# Allegro board S071AA-0413-20260427_Power.brd (continued)
## Routing (per net, layer and track width the routed paths; a pad name or vN(x,y) marks a point on that pad's centre or on a via; arc(x,y) is an arc through that point) (continued)
; 192.5,335.28 D113.A5 ; D113.A5 193.31,334.47 ; D113.A5 194.12,335.28 ; D113.A5 193.31,336.09 ; 261.89,370.03 D111.B7 ; D111.B7 261.89,371.65 ; D111.B7 262.7,370.84 ; D111.B7 261.08,370.84 ; 89.17,385.27 D427.A17 ; D427.A17 89.98,386.08 ; D427.A17 89.17,386.89 ; D427.A17 88.36,386.08 ; 121.38,383.54 D427.A4 ; D427.A4 123,383.54 ; D427.A4 122.19,382.73 ; D427.A4 122.19,384.35 ; 55.34,370.84 D231.B1 ; D231.B1 56.15,371.65 ; D231.B1 56.15,370.03 ; D231.B1 56.96,370.84 ; 114.57,52.53 D123.A11 ; D123.A11 114.57,54.15 ; D123.A11 113.76,53.34 ; D123.A11 115.38,53.34 ; D232.A2 54.42,393.7 ; D232.A2 53.61,394.51 ; D232.A2 52.8,393.7 ; D232.A2 53.61,392.89 ; 43.45,34.75 D120.A12 ; D120.A12 42.64,35.56 ; D120.A12 43.45,36.37 ; D120.A12 44.26,35.56 ; D117.A4 23.94,96.52 ; D117.A4 23.13,95.71 ; D117.A4 22.32,96.52 ; D117.A4 23.13,97.33 ; D106.B9 256.81,79.55 ; D106.B9 256.81,77.93 ; D106.B9 256,78.74 ; D106.B9 257.62,78.74 ; D228.A6 117.11,394.51 ; D228.A6 117.11,392.89 ; D228.A6 116.3,393.7 ; D228.A6 117.92,393.7 ; 195.85,60.15 D103.B14 ; D103.B14 196.66,60.96 ; D103.B14 195.04,60.96 ; D103.B14 195.85,61.77 ; D432.B8 39.18,398.78 ; D432.B8 37.56,398.78 ; D432.B8 38.37,397.97 ; D432.B8 38.37,399.59 ; D232.A15 20.59,397.05 ; D232.A15 20.59,395.43 ; D232.A15 21.4,396.24 ; D232.A15 19.78,396.24 ; D110.A3 272.05,356.41 ; D110.A3 272.05,354.79 ; D110.A3 271.24,355.6 ; D110.A3 272.86,355.6 ; D104.B4 171.26,40.64 ; D104.B4 170.45,39.83 ; D104.B4 170.45,41.45 ; D104.B4 169.64,40.64 ; 177.26,396.24 D116.A11 ; D116.A11 178.88,396.24 ; D116.A11 178.07,397.05 ; D116.A11 178.07,395.43 ; 258.54,327.66 D109.B8 ; D109.B8 259.35,328.47 ; D109.B8 260.16,327.66 ; D109.B8 259.35,326.85 ; 29.94,370.84 D231.B11 ; D231.B11 30.75,370.03 ; D231.B11 30.75,371.65 ; D231.B11 31.56,370.84 ; D120.B4 23.94,40.64 ; D120.B4 23.13,39.83 ; D120.B4 22.32,40.64 ; D120.B4 23.13,41.45 ; D109.A14 244.11,333.55 ; D109.A14 244.11,331.93 ; D109.A14 244.92,332.74 ; D109.A14 243.3,332.74 ; CSDPS425.C13 100.14,340.36 ; CSDPS425.C13 99.33,339.55 ; CSDPS425.C13 99.33,341.17 ; CSDPS425.C13 98.52,340.36 ; 113.76,330.2 CSDPS225.C7 ; CSDPS225.C7 114.57,329.39 ; CSDPS225.C7 115.38,330.2 ; CSDPS225.C7 114.57,331.01 ; D101.B15 199.2,99.06 ; D101.B15 198.39,98.25 ; D101.B15 197.58,99.06 ; D101.B15 198.39,99.87 ; 53.61,387.81 D232.B2 ; D232.B2 52.8,388.62 ; D232.B2 54.42,388.62 ; D232.B2 53.61,389.43 ; 202.66,375.92 D115.A1 ; D115.A1 204.28,375.92 ; D115.A1 203.47,376.73 ; D115.A1 203.47,375.11 ; D122.B3 94.25,79.55 ; D122.B3 95.06,78.74 ; D122.B3 93.44,78.74 ; D122.B3 94.25,77.93 ; 32.48,393.7 D232.A10 ; D232.A10 33.29,392.89 ; D232.A10 34.1,393.7 ; D232.A10 33.29,394.51 ; D108.B2 239.03,41.45 ; D108.B2 239.84,40.64 ; D108.B2 239.03,39.83 ; D108.B2 238.22,40.64 ; D115.B14 170.45,369.11 ; D115.B14 170.45,367.49 ; D115.B14 169.64,368.3 ; D115.B14 171.26,368.3 ; D101.A10 185.69,97.33 ; D101.A10 184.88,96.52 ; D101.A10 185.69,95.71 ; D101.A10 186.5,96.52 ; 183.15,370.03 D115.B9 ; D115.B9 182.34,370.84 ; D115.B9 183.96,370.84 ; D115.B9 183.15,371.65 ; 90.9,373.38 D227.A16 ; D227.A16 91.71,374.19 ; D227.A16 91.71,372.57 ; D227.A16 92.52,373.38 ; D104.A15 199.2,33.02 ; D104.A15 198.39,33.83 ; D104.A15 197.58,33.02 ; D104.A15 198.39,32.21 ; CSDPS429.C13 26.48,340.36 ; CSDPS429.C13 25.67,339.55 ; CSDPS429.C13 24.86,340.36 ; CSDPS429.C13 25.67,341.17 ; D112.A12 249.19,394.51 ; D112.A12 248.38,393.7 ; D112.A12 249.19,392.89 ; D112.A12 250,393.7 ; 174.72,76.2 D102.A6 ; D102.A6 175.53,77.01 ; D102.A6 175.53,75.39 ; D102.A6 176.34,76.2 ; D117.A10 38.37,97.33 ; D117.A10 37.56,96.52 ; D117.A10 38.37,95.71 ; D117.A10 39.18,96.52 ; 114.57,18.24 DPS3.C11 ; DPS3.C11 113.76,19.05 ; DPS3.C11 115.38,19.05 ; DPS3.C11 114.57,19.86 ; 106.14,60.96 D123.B8 ; D123.B8 106.95,61.77 ; D123.B8 106.95,60.15 ; D123.B8 107.76,60.96 ; D119.B8 34.1,60.96 ; D119.B8 32.48,60.96 ; D119.B8 33.29,60.15 ; D119.B8 33.29,61.77 ; 43.45,95.71 D117.A12 ; D117.A12 43.45,97.33 ; D117.A12 44.26,96.52 ; D117.A12 42.64,96.52 ; D102.A8 181.42,76.2 ; D102.A8 180.61,77.01 ; D102.A8 179.8,76.2 ; D102.A8 180.61,75.39 ; D109.B3 272.86,330.2 ; D109.B3 271.24,330.2 ; D109.B3 272.05,331.01 ; D109.B3 272.05,329.39 ; 185.69,392.89 D116.A8 ; D116.A8 186.5,393.7 ; D116.A8 184.88,393.7 ; D116.A8 185.69,394.51 ; D108.A1 237.3,33.02 ; D108.A1 235.68,33.02 ; D108.A1 236.49,33.83 ; D108.A1 236.49,32.21 ; 38.37,377.65 D431.B8 ; D431.B8 39.18,378.46 ; D431.B8 37.56,378.46 ; D431.B8 38.37,379.27 ; 101.87,382.73 D427.A12 ; D427.A12 102.68,383.54 ; D427.A12 101.06,383.54 ; D427.A12 101.87,384.35 ; D232.B10 33.29,389.43 ; D232.B10 32.48,388.62 ; D232.B10 34.1,388.62 ; D232.B10 33.29,387.81 ; 48.53,95.71 D117.A14 ; D117.A14 49.34,96.52 ; D117.A14 48.53,97.33 ; D117.A14 47.72,96.52 ; D124.A2 91.71,36.37 ; D124.A2 92.52,35.56 ; D124.A2 90.9,35.56 ; D124.A2 91.71,34.75 ; D431.B9 36.64,381 ; D431.B9 35.83,381.81 ; D431.B9 35.02,381 ; D431.B9 35.83,380.19 ; 117.11,95.71 D121.A12 ; D121.A12 116.3,96.52 ; D121.A12 117.11,97.33 ; D121.A12 117.92,96.52 ; 30.75,390.35 D232.B11 ; D232.B11 29.94,391.16 ; D232.B11 31.56,391.16 ; D232.B11 30.75,391.97 ; D107.A12 264.43,56.69 ; D107.A12 265.24,55.88 ; D107.A12 263.62,55.88 ; D107.A12 264.43,55.07 ; 56.15,414.48 DPS8.A01 ; DPS8.A01 56.96,415.29 ; DPS8.A01 56.15,416.1 ; DPS8.A01 55.34,415.29 ; CSDPS429.B6 43.45,343.71 ; CSDPS429.B6 43.45,342.09 ; CSDPS429.B6 44.26,342.9 ; CSDPS429.B6 42.64,342.9 ; D101.B9 183.15,99.87 ; D101.B9 183.96,99.06 ; D101.B9 183.15,98.25 ; D101.B9 182.34,99.06 ; 14.7,370.84 D231.B17 ; D231.B17 15.51,370.03 ; D231.B17 15.51,371.65 ; D231.B17 16.32,370.84 ; CSDPS429.C9 35.83,341.17 ; CSDPS429.C9 35.02,340.36 ; CSDPS429.C9 36.64,340.36 ; CSDPS429.C9 35.83,339.55 ; D120.A14 48.53,36.37 ; D120.A14 49.34,35.56 ; D120.A14 48.53,34.75 ; D120.A14 47.72,35.56 ; D117.B8 34.1,101.6 ; D117.B8 33.29,102.41 ; D117.B8 32.48,101.6 ; D117.B8 33.29,100.79 ; 266.16,99.06 D105.B13 ; D105.B13 266.97,99.87 ; D105.B13 266.97,98.25 ; D105.B13 267.78,99.06 ; 91.71,60.15 D123.B2 ; D123.B2 91.71,61.77 ; D123.B2 92.52,60.96 ; D123.B2 90.9,60.96 ; 253.46,96.52 D105.A8 ; D105.A8 254.27,95.71 ; D105.A8 254.27,97.33 ; D105.A8 255.08,96.52 ; D231.B9 35.83,371.65 ; D231.B9 36.64,370.84 ; D231.B9 35.83,370.03 ; D231.B9 35.02,370.84 ; 29.94,340.36 CSDPS429.C11 ; CSDPS429.C11 30.75,341.17 ; CSDPS429.C11 30.75,339.55 ; CSDPS429.C11 31.56,340.36 ; 264.43,331.93 D109.A6 ; D109.A6 265.24,332.74 ; D109.A6 263.62,332.74 ; D109.A6 264.43,333.55 ; D112.B15 241.57,391.97 ; D112.B15 240.76,391.16 ; D112.B15 242.38,391.16 ; D112.B15 241.57,390.35 ; 93.44,360.68 CSDPS426.C15 ; CSDPS426.C15 94.25,359.87 ; CSDPS426.C15 94.25,361.49 ; CSDPS426.C15 95.06,360.68 ; D227.B5 119.65,371.65 ; D227.B5 118.84,370.84 ; D227.B5 119.65,370.03 ; D227.B5 120.46,370.84 ; 263.62,76.2 D106.A12 ; D106.A12 264.43,75.39 ; D106.A12 265.24,76.2 ; D106.A12 264.43,77.01 ; UHC230.G4_13 15.39,348.29 ; UHC230.G4_13 13.77,348.29 ; UHC230.G4_13 14.58,347.48 ; UHC230.G4_13 14.58,349.1 ; 172.18,335.28 D113.A13 ; D113.A13 172.99,336.09 ; D113.A13 172.99,334.47 ; D113.A13 173.8,335.28 ; D110.A1 277.94,355.6 ; D110.A1 277.13,356.41 ; D110.A1 277.13,354.79 ; D110.A1 276.32,355.6 ; D106.B3 241.57,79.55 ; D106.B3 240.76,78.74 ; D106.B3 242.38,78.74 ; D106.B3 241.57,77.93 ; 18.05,331.93 CSDPS229.B16 ; CSDPS229.B16 18.05,333.55 ; CSDPS229.B16 17.24,332.74 ; CSDPS229.B16 18.86,332.74 ; D103.B13 194.12,58.42 ; D103.B13 193.31,57.61 ; D103.B13 193.31,59.23 ; D103.B13 192.5,58.42 ; 15.51,57.61 D119.B1 ; D119.B1 15.51,59.23 ; D119.B1 16.32,58.42 ; D119.B1 14.7,58.42 ; D124.B2 92.52,40.64 ; D124.B2 91.71,39.83 ; D124.B2 90.9,40.64 ; D124.B2 91.71,41.45 ; D104.A11 189.04,33.02 ; D104.A11 187.42,33.02 ; D104.A11 188.23,33.83 ; D104.A11 188.23,32.21 ; 111.22,353.06 CSDPS226.B8 ; CSDPS226.B8 112.84,353.06 ; CSDPS226.B8 112.03,352.25 ; CSDPS226.B8 112.03,353.87 ; D106.B2 239.03,82.09 ; D106.B2 238.22,81.28 ; D106.B2 239.03,80.47 ; D106.B2 239.84,81.28 ; 27.4,403.86 D432.A12 ; D432.A12 28.21,404.67 ; D432.A12 28.21,403.05 ; D432.A12 29.02,403.86 ; 183.15,72.85 D102.A9 ; D102.A9 183.15,74.47 ; D102.A9 182.34,73.66 ; D102.A9 183.96,73.66 ; 111.22,398.78 D428.B8 ; D428.B8 112.03,399.59 ; D428.B8 112.84,398.78 ; D428.B8 112.03,397.97 ; 202.66,415.29 DPS2.A01 ; DPS2.A01 203.47,414.48 ; DPS2.A01 204.28,415.29 ; DPS2.A01 203.47,416.1 ; D121.A6 102.68,96.52 ; D121.A6 101.87,97.33 ; D121.A6 101.87,95.71 ; D121.A6 101.06,96.52 ; D107.A3 241.57,54.15 ; D107.A3 241.57,52.53 ; D107.A3 242.38,53.34 ; D107.A3 240.76,53.34 ; 236.49,13.16 DPS1.A01 ; DPS1.A01 235.68,13.97 ; DPS1.A01 237.3,13.97 ; DPS1.A01 236.49,14.78 ; UHC230.G3_10 46.34,350.04 ; UHC230.G3_10 44.72,350.04 ; UHC230.G3_10 45.53,350.85 ; UHC230.G3_10 45.53,349.23 ; 127.27,392.89 D228.A2 ; D228.A2 126.46,393.7 ; D228.A2 128.08,393.7 ; D228.A2 127.27,394.51 ; D428.B16 92.52,398.78 ; D428.B16 90.9,398.78 ; D428.B16 91.71,397.97 ; D428.B16 91.71,399.59 ; D123.B7 104.41,59.23 ; D123.B7 103.6,58.42 ; D123.B7 104.41,57.61 ; D123.B7 105.22,58.42 ; 22.32,342.9 CSDPS429.B14 ; CSDPS429.B14 23.13,343.71 ; CSDPS429.B14 23.94,342.9 ; CSDPS429.B14 23.13,342.09 ; D102.A3 168.72,73.66 ; D102.A3 167.1,73.66 ; D102.A3 167.91,72.85 ; D102.A3 167.91,74.47 ; D108.B10 260.16,40.64 ; D108.B10 259.35,41.45 ; D108.B10 258.54,40.64 ; D108.B10 259.35,39.83 ; D113.B8 186.5,327.66 ; D113.B8 184.88,327.66 ; D113.B8 185.69,326.85 ; D113.B8 185.69,328.47 ; D431.B5 46.8,381 ; D431.B5 45.99,381.81 ; D431.B5 45.18,381 ; D431.B5 45.99,380.19 ; 167.91,349.71 D114.B15 ; D114.B15 168.72,350.52 ; D114.B15 167.1,350.52 ; D114.B15 167.91,351.33 ; D107.B4 244.92,60.96 ; D107.B4 244.11,61.77 ; D107.B4 243.3,60.96 ; D107.B4 244.11,60.15 ; D431.A5 46.8,386.08 ; D431.A5 45.99,385.27 ; D431.A5 45.99,386.89 ; D431.A5 45.18,386.08 ; 106.14,403.86 D428.A10 ; D428.A10 106.95,403.05 ; D428.A10 106.95,404.67 ; D428.A10 107.76,403.86 ; 269.51,372.57 D111.A4 ; D111.A4 269.51,374.19 ; D111.A4 268.7,373.38 ; D111.A4 270.32,373.38 ; D228.B10 107.76,388.62 ; D228.B10 106.14,388.62 ; D228.B10 106.95,389.43 ; D228.B10 106.95,387.81 ; D113.B12 175.53,328.47 ; D113.B12 175.53,326.85 ; D113.B12 174.72,327.66 ; D113.B12 176.34,327.66 ; D113.A6 190.77,333.55 ; D113.A6 189.96,332.74 ; D113.A6 190.77,331.93 ; D113.A6 191.58,332.74 ; D117.B2 18.86,101.6 ; D117.B2 18.05,102.41 ; D117.B2 17.24,101.6 ; D117.B2 18.05,100.79 ; 261.89,15.7 DPS1.B11 ; DPS1.B11 261.08,16.51 ; DPS1.B11 262.7,16.51 ; DPS1.B11 261.89,17.32 ; 45.18,53.34 D119.A13 ; D119.A13 46.8,53.34 ; D119.A13 45.99,54.15 ; D119.A13 45.99,52.53 ; D110.A12 249.19,353.87 ; D110.A12 248.38,353.06 ; D110.A12 249.19,352.25 ; D110.A12 250,353.06 ; D231.A11 31.56,375.92 ; D231.A11 29.94,375.92 ; D231.A11 30.75,376.73 ; D231.A11 30.75,375.11 ; D428.A3 125.54,406.4 ; D428.A3 124.73,405.59 ; D428.A3 124.73,407.21 ; D428.A3 123.92,406.4 ; 44.38,364.64 UHC430.G2_3 ; UHC430.G2_3 45.19,365.45 ; UHC430.G2_3 44.38,366.26 ; UHC430.G2_3 43.57,365.45 ; 18.05,55.07 D119.A2 ; D119.A2 18.05,56.69 ; D119.A2 18.86,55.88 ; D119.A2 17.24,55.88 ; D432.B11 31.56,401.32 ; D432.B11 30.75,400.51 ; D432.B11 29.94,401.32 ; D432.B11 30.75,402.13 ; CSDPS425.C5 120.46,340.36 ; CSDPS425.C5 118.84,340.36 ; CSDPS425.C5 119.65,341.17 ; CSDPS425.C5 119.65,339.55 ; UHC430.G1_11 19.18,359.26 ; UHC430.G1_11 19.18,357.64 ; UHC430.G1_11 19.99,358.45 ; UHC430.G1_11 18.37,358.45 ; 104.41,385.27 D427.A11 ; D427.A11 103.6,386.08 ; D427.A11 105.22,386.08 ; D427.A11 104.41,386.89 ; 17.22,360.2 UHC430.G1_9 ; UHC430.G1_9 18.03,359.39 ; UHC430.G1_9 18.03,361.01 ; UHC430.G1_9 18.84,360.2 ; D432.B6 43.45,399.59 ; D432.B6 44.26,398.78 ; D432.B6 43.45,397.97 ; D432.B6 42.64,398.78 ; D106.A8 255.08,76.2 ; D106.A8 254.27,75.39 ; D106.A8 254.27,77.01 ; D106.A8 253.46,76.2 ; 19.78,58.42 D119.B3 ; D119.B3 20.59,59.23 ; D119.B3 21.4,58.42 ; D119.B3 20.59,57.61 ; CSDPS426.B14 97.6,363.22 ; CSDPS426.B14 96.79,362.41 ; CSDPS426.B14 96.79,364.03 ; CSDPS426.B14 95.98,363.22 ; 43.45,387.81 D232.B6 ; D232.B6 43.45,389.43 ; D232.B6 44.26,388.62 ; D232.B6 42.64,388.62 ; D101.A3 168.72,93.98 ; D101.A3 167.91,94.79 ; D101.A3 167.91,93.17 ; D101.A3 167.1,93.98 ; 95.98,101.6 D121.B4 ; D121.B4 97.6,101.6 ; D121.B4 96.79,102.41 ; D121.B4 96.79,100.79 ; 165.37,392.89 D116.A16 ; D116.A16 166.18,393.7 ; D116.A16 165.37,394.51 ; D116.A16 164.56,393.7 ; 271.24,58.42 D107.B15 ; D107.B15 272.86,58.42 ; D107.B15 272.05,57.61 ; D107.B15 272.05,59.23 ; D116.A7 188.23,397.05 ; D116.A7 188.23,395.43 ; D116.A7 189.04,396.24 ; D116.A7 187.42,396.24 ; D119.A15 51.88,53.34 ; D119.A15 51.07,52.53 ; D119.A15 51.07,54.15 ; D119.A15 50.26,53.34 ; CSDPS429.C5 45.99,341.17 ; CSDPS429.C5 45.99,339.55 ; CSDPS429.C5 45.18,340.36 ; CSDPS429.C5 46.8,340.36 ; D120.A1 15.51,33.83 ; D120.A1 15.51,32.21 ; D120.A1 16.32,33.02 ; D120.A1 14.7,33.02 ; 244.11,367.49 D111.B14 ; D111.B14 244.11,369.11 ; D111.B14 243.3,368.3 ; D111.B14 244.92,368.3 ; 15.73,362.89 UHC430.G1_5 ; UHC430.G1_5 16.54,363.7 ; UHC430.G1_5 14.92,363.7 ; UHC430.G1_5 15.73,364.51 ; 167.91,77.93 D102.B3 ; D102.B3 167.1,78.74 ; D102.B3 167.91,79.55 ; D102.B3 168.72,78.74 ; D112.A2 274.59,394.51 ; D112.A2 275.4,393.7 ; D112.A2 273.78,393.7 ; D112.A2 274.59,392.89 ; 55.34,375.92 D231.A1 ; D231.A1 56.15,375.11 ; D231.A1 56.96,375.92 ; D231.A1 56.15,376.73 ; D123.B14 123,60.96 ; D123.B14 122.19,60.15 ; D123.B14 122.19,61.77 ; D123.B14 121.38,60.96 ; D104.A14 196.66,35.56 ; D104.A14 195.04,35.56 ; D104.A14 195.85,34.75 ; D104.A14 195.85,36.37 ; 101.87,342.09 CSDPS425.B12 ; CSDPS425.B12 102.68,342.9 ; CSDPS425.B12 101.06,342.9 ; CSDPS425.B12 101.87,343.71 ; D118.A14 48.53,77.01 ; D118.A14 48.53,75.39 ; D118.A14 47.72,76.2 ; D118.A14 49.34,76.2 ; D107.A15 272.86,53.34 ; D107.A15 272.05,52.53 ; D107.A15 272.05,54.15 ; D107.A15 271.24,53.34 ; 245.84,38.1 D108.B5 ; D108.B5 247.46,38.1 ; D108.B5 246.65,38.91 ; D108.B5 246.65,37.29 ; 197.58,53.34 D103.A15 ; D103.A15 198.39,54.15 ; D103.A15 199.2,53.34 ; D103.A15 198.39,52.53 ; 38.37,100.79 D117.B10 ; D117.B10 38.37,102.41 ; D117.B10 37.56,101.6 ; D117.B10 39.18,101.6 ; D432.A10 33.29,404.67 ; D432.A10 32.48,403.86 ; D432.A10 33.29,403.05 ; D432.A10 34.1,403.86 ; DPS2.C05 194.12,410.21 ; DPS2.C05 193.31,411.02 ; DPS2.C05 193.31,409.4 ; DPS2.C05 192.5,410.21 ; D231.A8 39.18,373.38 ; D231.A8 38.37,374.19 ; D231.A8 37.56,373.38 ; D231.A8 38.37,372.57 ; 35.02,375.92 D231.A9 ; D231.A9 35.83,376.73 ; D231.A9 35.83,375.11 ; D231.A9 36.64,375.92 ; 256.81,93.17 D105.A9 ; D105.A9 257.62,93.98 ; D105.A9 256,93.98 ; D105.A9 256.81,94.79 ; D108.A14 269.51,36.37 ; D108.A14 268.7,35.56 ; D108.A14 270.32,35.56 ; D108.A14 269.51,34.75 ; 261.08,99.06 D105.B11 ; D105.B11 262.7,99.06 ; D105.B11 261.89,99.87 ; D105.B11 261.89,98.25 ; D123.A16 127.27,56.69 ; D123.A16 126.46,55.88 ; D123.A16 127.27,55.07 ; D123.A16 128.08,55.88 ; D121.A4 96.79,97.33 ; D121.A4 97.6,96.52 ; D121.A4 96.79,95.71 ; D121.A4 95.98,96.52 ; 189.96,393.7 D116.A6 ; D116.A6 190.77,392.89 ; D116.A6 191.58,393.7 ; D116.A6 190.77,394.51 ; D123.B11 114.57,59.23 ; D123.B11 113.76,58.42 ; D123.B11 114.57,57.61 ; D123.B11 115.38,58.42 ; 88.36,58.42 D123.B1 ; D123.B1 89.17,59.23 ; D123.B1 89.98,58.42 ; D123.B1 89.17,57.61 ; D111.B4 270.32,368.3 ; D111.B4 268.7,368.3 ; D111.B4 269.51,367.49 ; D111.B4 269.51,369.11 ; D106.B1 236.49,79.55 ; D106.B1 235.68,78.74 ; D106.B1 236.49,77.93 ; D106.B1 237.3,78.74 ; 27.4,342.9 CSDPS429.B12 ; CSDPS429.B12 29.02,342.9 ; CSDPS429.B12 28.21,342.09 ; CSDPS429.B12 28.21,343.71 ; CSDPS426.B16 91.71,364.03 ; CSDPS426.B16 91.71,362.41 ; CSDPS426.B16 92.52,363.22 ; CSDPS426.B16 90.9,363.22 ; 248.38,96.52 D105.A6 ; D105.A6 249.19,95.71 ; D105.A6 249.19,97.33 ; D105.A6 250,96.52 ; D117.A6 28.21,97.33 ; D117.A6 29.02,96.52 ; D117.A6 27.4,96.52 ; D117.A6 28.21,95.71 ; 200.12,353.06 D114.A2 ; D114.A2 200.93,352.25 ; D114.A2 201.74,353.06 ; D114.A2 200.93,353.87 ; DPS1.A05 247.46,13.97 ; DPS1.A05 246.65,13.16 ; DPS1.A05 246.65,14.78 ; DPS1.A05 245.84,13.97 ; D101.B12 190.77,102.41 ; D101.B12 189.96,101.6 ; D101.B12 191.58,101.6 ; D101.B12 190.77,100.79 ; D101.B3 168.72,99.06 ; D101.B3 167.91,98.25 ; D101.B3 167.91,99.87 ; D101.B3 167.1,99.06 ; 40.91,405.59 D432.A7 ; D432.A7 40.91,407.21 ; D432.A7 40.1,406.4 ; D432.A7 41.72,406.4 ; D121.B14 123,101.6 ; D121.B14 121.38,101.6 ; D121.B14 122.19,100.79 ; D121.B14 122.19,102.41 ; D119.B13 45.99,59.23 ; D119.B13 45.18,58.42 ; D119.B13 46.8,58.42 ; D119.B13 45.99,57.61 ; 175.53,367.49 D115.B12 ; D115.B12 176.34,368.3 ; D115.B12 175.53,369.11 ; D115.B12 174.72,368.3 ; 184.88,373.38 D115.A8 ; D115.A8 185.69,374.19 ; D115.A8 186.5,373.38 ; D115.A8 185.69,372.57 ; 40.91,93.17 D117.A11 ; D117.A11 40.91,94.79 ; D117.A11 41.72,93.98 ; D117.A11 40.1,93.98 ; D120.A4 23.94,35.56 ; D120.A4 23.13,36.37 ; D120.A4 23.13,34.75 ; D120.A4 22.32,35.56 ; 18.37,361.95 UHC430.G1_6 ; UHC430.G1_6 19.18,362.76 ; UHC430.G1_6 19.18,361.14 ; UHC430.G1_6 19.99,361.95 ; D121.A1 89.98,93.98 ; D121.A1 89.17,94.79 ; D121.A1 89.17,93.17 ; D121.A1 88.36,93.98 ; D432.A17 16.32,406.4 ; D432.A17 14.7,406.4 ; D432.A17 15.51,405.59 ; D432.A17 15.51,407.21 ; 193.31,32.21 D104.A13 ; D104.A13 194.12,33.02 ; D104.A13 192.5,33.02 ; D104.A13 193.31,33.83 ; 38.37,80.47 D118.B10 ; D118.B10 39.18,81.28 ; D118.B10 37.56,81.28 ; D118.B10 38.37,82.09 ; D122.A7 104.41,74.47 ; D122.A7 105.22,73.66 ; D122.A7 103.6,73.66 ; D122.A7 104.41,72.85 ; D106.B12 265.24,81.28 ; D106.B12 264.43,80.47 ; D106.B12 263.62,81.28 ; D106.B12 264.43,82.09 ; 51.07,380.19 D431.B3 ; D431.B3 50.26,381 ; D431.B3 51.88,381 ; D431.B3 51.07,381.81 ; 195.04,40.64 D104.B14 ; D104.B14 195.85,39.83 ; D104.B14 195.85,41.45 ; D104.B14 196.66,40.64 ; D103.B1 162.83,59.23 ; D103.B1 162.02,58.42 ; D103.B1 162.83,57.61 ; D103.B1 163.64,58.42 ; D102.B1 162.83,79.55 ; D102.B1 162.83,77.93 ; D102.B1 163.64,78.74 ; D102.B1 162.02,78.74 ; D232.A12 28.21,394.51 ; D232.A12 28.21,392.89 ; D232.A12 27.4,393.7 ; D232.A12 29.02,393.7 ; 119.65,93.17 D121.A13 ; D121.A13 120.46,93.98 ; D121.A13 119.65,94.79 ; D121.A13 118.84,93.98 ; 261.89,354.79 D110.A7 ; D110.A7 261.08,355.6 ; D110.A7 261.89,356.41 ; D110.A7 262.7,355.6 ; 167.1,375.92 D115.A15 ; D115.A15 167.91,375.11 ; D115.A15 167.91,376.73 ; D115.A15 168.72,375.92 ; D432.B5 45.99,402.13 ; D432.B5 46.8,401.32 ; D432.B5 45.99,400.51 ; D432.B5 45.18,401.32 ; 27.4,398.78 D432.B12 ; D432.B12 29.02,398.78 ; D432.B12 28.21,397.97 ; D432.B12 28.21,399.59 ; CSDPS229.B8 38.37,333.55 ; CSDPS229.B8 38.37,331.93 ; CSDPS229.B8 37.56,332.74 ; CSDPS229.B8 39.18,332.74 ; 45.99,37.29 D120.B13 ; D120.B13 45.18,38.1 ; D120.B13 45.99,38.91 ; D120.B13 46.8,38.1 ; 193.31,77.93 D102.B13 ; D102.B13 194.12,78.74 ; D102.B13 192.5,78.74 ; D102.B13 193.31,79.55 ; 164.56,81.28 D102.B2 ; D102.B2 165.37,82.09 ; D102.B2 166.18,81.28 ; D102.B2 165.37,80.47 ; 253.46,327.66 D109.B10 ; D109.B10 254.27,326.85 ; D109.B10 255.08,327.66 ; D109.B10 254.27,328.47 ; D118.B9 35.83,79.55 ; D118.B9 36.64,78.74 ; D118.B9 35.83,77.93 ; D118.B9 35.02,78.74 ; 108.68,381 D427.B9 ; D427.B9 109.49,381.81 ; D427.B9 110.3,381 ; D427.B9 109.49,380.19 ; D116.B6 191.58,388.62 ; D116.B6 190.77,389.43 ; D116.B6 189.96,388.62 ; D116.B6 190.77,387.81 ; 25.67,395.43 D232.A13 ; D232.A13 25.67,397.05 ; D232.A13 26.48,396.24 ; D232.A13 24.86,396.24 ; 188.23,329.39 D113.B7 ; D113.B7 189.04,330.2 ; D113.B7 187.42,330.2 ; D113.B7 188.23,331.01 ; 47.02,363.7 UHC430.G2_4 ; UHC430.G2_4 47.83,362.89 ; UHC430.G2_4 47.83,364.51 ; UHC430.G2_4 48.64,363.7 ; 40.1,381 D431.B7 ; D431.B7 40.91,380.19 ; D431.B7 40.91,381.81 ; D431.B7 41.72,381 ; 200.12,327.66 D113.B2 ; D113.B2 201.74,327.66 ; D113.B2 200.93,326.85 ; D113.B2 200.93,328.47 ; D124.B16 127.27,41.45 ; D124.B16 128.08,40.64 ; D124.B16 127.27,39.83 ; D124.B16 126.46,40.64 ; 17.24,378.46 D431.B16 ; D431.B16 18.05,379.27 ; D431.B16 18.86,378.46 ; D431.B16 18.05,377.65 ; D111.B3 272.86,370.84 ; D111.B3 272.05,370.03 ; D111.B3 271.24,370.84 ; D111.B3 272.05,371.65 ; 126.46,388.62 D228.B2 ; D228.B2 127.27,387.81 ; D228.B2 128.08,388.62 ; D228.B2 127.27,389.43 ; UHC230.G3_11 48.98,349.1 ; UHC230.G3_11 49.79,348.29 ; UHC230.G3_11 48.98,347.48 ; UHC230.G3_11 48.17,348.29 ; 192.5,415.29 DPS2.A05 ; DPS2.A05 193.31,416.1 ; DPS2.A05 194.12,415.29 ; DPS2.A05 193.31,414.48 ; D431.B10 33.29,379.27 ; D431.B10 32.48,378.46 ; D431.B10 34.1,378.46 ; D431.B10 33.29,377.65 ; D104.B10 185.69,41.45 ; D104.B10 185.69,39.83 ; D104.B10 184.88,40.64 ; D104.B10 186.5,40.64 ; D427.A15 95.06,386.08 ; D427.A15 94.25,385.27 ; D427.A15 94.25,386.89 ; D427.A15 93.44,386.08 ; D104.A1 163.64,33.02 ; D104.A1 162.02,33.02 ; D104.A1 162.83,32.21 ; D104.A1 162.83,33.83 ; 263.62,40.64 D108.B12 ; D108.B12 264.43,41.45 ; D108.B12 264.43,39.83 ; D108.B12 265.24,40.64 ; 98.52,19.05 DPS3.C05 ; DPS3.C05 99.33,19.86 ; DPS3.C05 99.33,18.24 ; DPS3.C05 100.14,19.05 ; D103.A6 176.34,55.88 ; D103.A6 174.72,55.88 ; D103.A6 175.53,56.69 ; D103.A6 175.53,55.07 ; 99.33,98.25 D121.B5 ; D121.B5 98.52,99.06 ; D121.B5 100.14,99.06 ; D121.B5 99.33,99.87 ; D109.A12 249.19,333.55 ; D109.A12 250,332.74 ; D109.A12 248.38,332.74 ; D109.A12 249.19,331.93 ; D122.A10 112.03,77.01 ; D122.A10 112.03,75.39 ; D122.A10 112.84,76.2 ; D122.A10 111.22,76.2 ; D106.A4 244.92,76.2 ; D106.A4 244.11,77.01 ; D106.A4 243.3,76.2 ; D106.A4 244.11,75.39 ; CSDPS429.B2 54.42,342.9 ; CSDPS429.B2 52.8,342.9 ; CSDPS429.B2 53.61,342.09 ; CSDPS429.B2 53.61,343.71 ; D103.B10 185.69,61.77 ; D103.B10 186.5,60.96 ; D103.B10 185.69,60.15 ; D103.B10 184.88,60.96 ; D103.B2 166.18,60.96 ; D103.B2 165.37,61.77 ; D103.B2 164.56,60.96 ; D103.B2 165.37,60.15 ; D124.B11 114.57,38.91 ; D124.B11 113.76,38.1 ; D124.B11 114.57,37.29 ; D124.B11 115.38,38.1 ; 23.13,55.07 D119.A4 ; D119.A4 23.94,55.88 ; D119.A4 22.32,55.88 ; D119.A4 23.13,56.69 ; 48.53,331.93 CSDPS229.B4 ; CSDPS229.B4 49.34,332.74 ; CSDPS229.B4 47.72,332.74 ; CSDPS229.B4 48.53,333.55 ; 243.3,101.6 D105.B4 ; D105.B4 244.11,100.79 ; D105.B4 244.92,101.6 ; D105.B4 244.11,102.41 ; D116.A15 168.72,396.24 ; D116.A15 167.91,397.05 ; D116.A15 167.91,395.43 ; D116.A15 167.1,396.24 ; 253.46,35.56 D108.A8 ; D108.A8 254.27,36.37 ; D108.A8 254.27,34.75 ; D108.A8 255.08,35.56 ; D111.A2 274.59,374.19 ; D111.A2 273.78,373.38 ; D111.A2 275.4,373.38 ; D111.A2 274.59,372.57 ; 56.15,380.19 D431.B1 ; D431.B1 55.34,381 ; D431.B1 56.15,381.81 ; D431.B1 56.96,381 ; D231.B13 26.48,370.84 ; D231.B13 25.67,370.03 ; D231.B13 25.67,371.65 ; D231.B13 24.86,370.84 ; 108.68,340.36 CSDPS425.C9 ; CSDPS425.C9 109.49,339.55 ; CSDPS425.C9 110.3,340.36 ; CSDPS425.C9 109.49,341.17 ; 30.75,93.17 D117.A7 ; D117.A7 29.94,93.98 ; D117.A7 31.56,93.98 ; D117.A7 30.75,94.79 ; D114.A8 185.69,353.87 ; D114.A8 186.5,353.06 ; D114.A8 185.69,352.25 ; D114.A8 184.88,353.06 ; 17.24,60.96 D119.B2 ; D119.B2 18.05,61.77 ; D119.B2 18.05,60.15 ; D119.B2 18.86,60.96 ; 18.05,39.83 D120.B2 ; D120.B2 17.24,40.64 ; D120.B2 18.86,40.64 ; D120.B2 18.05,41.45 ; 271.24,73.66 D106.A15 ; D106.A15 272.05,72.85 ; D106.A15 272.86,73.66 ; D106.A15 272.05,74.47 ; 183.15,334.47 D113.A9 ; D113.A9 183.15,336.09 ; D113.A9 182.34,335.28 ; D113.A9 183.96,335.28 ; 162.83,52.53 D103.A1 ; D103.A1 162.02,53.34 ; D103.A1 163.64,53.34 ; D103.A1 162.83,54.15 ; D106.B8 254.27,82.09 ; D106.B8 255.08,81.28 ; D106.B8 253.46,81.28 ; D106.B8 254.27,80.47 ; 249.19,80.47 D106.B6 ; D106.B6 250,81.28 ; D106.B6 249.19,82.09 ; D106.B6 248.38,81.28 ; 101.06,393.7 D228.A12 ; D228.A12 101.87,394.51 ; D228.A12 101.87,392.89 ; D228.A12 102.68,393.7 ; 277.13,375.11 D111.A1 ; D111.A1 276.32,375.92 ; D111.A1 277.94,375.92 ; D111.A1 277.13,376.73 ; 175.53,60.15 D103.B6 ; D103.B6 175.53,61.77 ; D103.B6 176.34,60.96 ; D103.B6 174.72,60.96 ; 15.73,352.73 UHC230.G4_5 ; UHC230.G4_5 16.54,353.54 ; UHC230.G4_5 15.73,354.35 ; UHC230.G4_5 14.92,353.54 ; 129.81,405.59 D428.A1 ; D428.A1 130.62,406.4 ; D428.A1 129.81,407.21 ; D428.A1 129,406.4 ; D116.B10 180.61,389.43 ; D116.B10 179.8,388.62 ; D116.B10 180.61,387.81 ; D116.B10 181.42,388.62 ; 108.68,391.16 D228.B9 ; D228.B9 109.49,390.35 ; D228.B9 109.49,391.97 ; D228.B9 110.3,391.16 ; CSDPS226.C15 94.25,351.33 ; CSDPS226.C15 94.25,349.71 ; CSDPS226.C15 93.44,350.52 ; CSDPS226.C15 95.06,350.52 ; 195.04,388.62 D116.B4 ; D116.B4 195.85,389.43 ; D116.B4 196.66,388.62 ; D116.B4 195.85,387.81 ; 266.16,38.1 D108.B13 ; D108.B13 266.97,38.91 ; D108.B13 267.78,38.1 ; D108.B13 266.97,37.29 ; D101.B14 196.66,101.6 ; D101.B14 195.85,100.79 ; D101.B14 195.85,102.41 ; D101.B14 195.04,101.6 ; D109.B1 277.94,330.2 ; D109.B1 277.13,331.01 ; D109.B1 276.32,330.2 ; D109.B1 277.13,329.39 ; D120.B11 40.91,38.91 ; D120.B11 40.91,37.29 ; D120.B11 41.72,38.1 ; D120.B11 40.1,38.1 ; D428.A13 99.33,407.21 ; D428.A13 98.52,406.4 ; D428.A13 99.33,405.59 ; D428.A13 100.14,406.4 ; UHC430.G1_3 14.58,366.26 ; UHC430.G1_3 13.77,365.45 ; UHC430.G1_3 14.58,364.64 ; UHC430.G1_3 15.39,365.45 ; 172.99,354.79 D114.A13 ; D114.A13 173.8,355.6 ; D114.A13 172.18,355.6 ; D114.A13 172.99,356.41 ; D427.A10 106.95,384.35 ; D427.A10 107.76,383.54 ; D427.A10 106.95,382.73 ; D427.A10 106.14,383.54 ; 183.15,32.21 D104.A9 ; D104.A9 183.96,33.02 ; D104.A9 183.15,33.83 ; D104.A9 182.34,33.02 ; 268.7,101.6 D105.B14 ; D105.B14 269.51,102.41 ; D105.B14 270.32,101.6 ; D105.B14 269.51,100.79 ; D227.B3 125.54,370.84 ; D227.B3 124.73,371.65 ; D227.B3 124.73,370.03 ; D227.B3 123.92,370.84 ; D228.B13 100.14,391.16 ; D228.B13 98.52,391.16 ; D228.B13 99.33,391.97 ; D228.B13 99.33,390.35 ; 117.11,403.05 D428.A6 ; D428.A6 117.92,403.86 ; D428.A6 117.11,404.67 ; D428.A6 116.3,403.86 ; 111.22,393.7 D228.A8 ; D228.A8 112.03,394.51 ; D228.A8 112.03,392.89 ; D228.A8 112.84,393.7 ; CSDPS426.C7 115.38,360.68 ; CSDPS426.C7 113.76,360.68 ; CSDPS426.C7 114.57,361.49 ; CSDPS426.C7 114.57,359.87 ; D228.A14 97.6,393.7 ; D228.A14 96.79,394.51 ; D228.A14 96.79,392.89 ; D228.A14 95.98,393.7 ; D227.B13 100.14,370.84 ; D227.B13 99.33,371.65 ; D227.B13 98.52,370.84 ; D227.B13 99.33,370.03 ; 112.03,100.79 D121.B10 ; D121.B10 112.03,102.41 ; D121.B10 111.22,101.6 ; D121.B10 112.84,101.6 ; 98.52,330.2 CSDPS225.C13 ; CSDPS225.C13 100.14,330.2 ; CSDPS225.C13 99.33,331.01 ; CSDPS225.C13 99.33,329.39 ; 48.53,39.83 D120.B14 ; D120.B14 48.53,41.45 ; D120.B14 47.72,40.64 ; D120.B14 49.34,40.64 ; 113.76,73.66 D122.A11 ; D122.A11 114.57,72.85 ; D122.A11 114.57,74.47 ; D122.A11 115.38,73.66 ; D428.B10 107.76,398.78 ; D428.B10 106.95,397.97 ; D428.B10 106.95,399.59 ; D428.B10 106.14,398.78 ; 17.22,350.04 UHC230.G4_9 ; UHC230.G4_9 18.03,349.23 ; UHC230.G4_9 18.03,350.85 ; UHC230.G4_9 18.84,350.04 ; 274.59,34.75 D108.A16 ; D108.A16 274.59,36.37 ; D108.A16 273.78,35.56 ; D108.A16 275.4,35.56 ; 170.45,75.39 D102.A4 ; D102.A4 171.26,76.2 ; D102.A4 170.45,77.01 ; D102.A4 169.64,76.2 ; 111.22,388.62 D228.B8 ; D228.B8 112.84,388.62 ; D228.B8 112.03,387.81 ; D228.B8 112.03,389.43 ; 198.39,390.35 D116.B3 ; D116.B3 199.2,391.16 ; D116.B3 198.39,391.97 ; D116.B3 197.58,391.16 ; D111.A10 254.27,374.19 ; D111.A10 254.27,372.57 ; D111.A10 253.46,373.38 ; D111.A10 255.08,373.38 ; 29.94,406.4 D432.A11 ; D432.A11 30.75,405.59 ; D432.A11 30.75,407.21 ; D432.A11 31.56,406.4 ; 35.83,98.25 D117.B9 ; D117.B9 35.83,99.87 ; D117.B9 36.64,99.06 ; D117.B9 35.02,99.06 ; 123.92,73.66 D122.A15 ; D122.A15 124.73,72.85 ; D122.A15 124.73,74.47 ; D122.A15 125.54,73.66 ; 47.72,101.6 D117.B14 ; D117.B14 48.53,100.79 ; D117.B14 48.53,102.41 ; D117.B14 49.34,101.6 ; D103.A16 201.74,55.88 ; D103.A16 200.12,55.88 ; D103.A16 200.93,56.69 ; D103.A16 200.93,55.07 ; D110.B7 261.89,351.33 ; D110.B7 262.7,350.52 ; D110.B7 261.08,350.52 ; D110.B7 261.89,349.71 ; D113.B11 178.88,330.2 ; D113.B11 178.07,329.39 ; D113.B11 177.26,330.2 ; D113.B11 178.07,331.01 ; D111.A11 252.54,375.92 ; D111.A11 251.73,376.73 ; D111.A11 251.73,375.11 ; D111.A11 250.92,375.92 ; D123.B5 100.14,58.42 ; D123.B5 99.33,57.61 ; D123.B5 98.52,58.42 ; D123.B5 99.33,59.23 ; 167.1,410.21 DPS2.C15 ; DPS2.C15 167.91,409.4 ; DPS2.C15 167.91,411.02 ; DPS2.C15 168.72,410.21 ; 48.53,60.15 D119.B14 ; D119.B14 49.34,60.96 ; D119.B14 48.53,61.77 ; D119.B14 47.72,60.96 ; 129,375.92 D227.A1 ; D227.A1 129.81,375.11 ; D227.A1 130.62,375.92 ; D227.A1 129.81,376.73 ; D106.A5 247.46,73.66 ; D106.A5 246.65,72.85 ; D106.A5 246.65,74.47 ; D106.A5 245.84,73.66 ; DPS1.B15 272.05,17.32 ; DPS1.B15 272.05,15.7 ; DPS1.B15 272.86,16.51 ; DPS1.B15 271.24,16.51 ; 101.87,34.75 D124.A6 ; D124.A6 102.68,35.56 ; D124.A6 101.87,36.37 ; D124.A6 101.06,35.56 ; 96.79,342.09 CSDPS425.B14 ; CSDPS425.B14 96.79,343.71 ; CSDPS425.B14 97.6,342.9 ; CSDPS425.B14 95.98,342.9 ; D123.A2 91.71,56.69 ; D123.A2 91.71,55.07 ; D123.A2 92.52,55.88 ; D123.A2 90.9,55.88 ; D121.A11 115.38,93.98 ; D121.A11 114.57,94.79 ; D121.A11 113.76,93.98 ; D121.A11 114.57,93.17 ; 266.16,335.28 D109.A5 ; D109.A5 266.97,334.47 ; D109.A5 266.97,336.09 ; D109.A5 267.78,335.28 ; 45.18,330.2 CSDPS229.C5 ; CSDPS229.C5 45.99,331.01 ; CSDPS229.C5 46.8,330.2 ; CSDPS229.C5 45.99,329.39 ; 180.61,95.71 D101.A8 ; D101.A8 180.61,97.33 ; D101.A8 179.8,96.52 ; D101.A8 181.42,96.52 ; 259.35,55.07 D107.A10 ; D107.A10 259.35,56.69 ; D107.A10 260.16,55.88 ; D107.A10 258.54,55.88 ; 113.76,386.08 D427.A7 ; D427.A7 115.38,386.08 ; D427.A7 114.57,385.27 ; D427.A7 114.57,386.89 ; D109.A7 261.89,336.09 ; D109.A7 262.7,335.28 ; D109.A7 261.89,334.47 ; D109.A7 261.08,335.28 ; 169.64,393.7 D116.A14 ; D116.A14 170.45,394.51 ; D116.A14 171.26,393.7 ; D116.A14 170.45,392.89 ; DPS3.B15 125.54,16.51 ; DPS3.B15 124.73,15.7 ; DPS3.B15 124.73,17.32 ; DPS3.B15 123.92,16.51 ; D107.B6 249.19,61.77 ; D107.B6 248.38,60.96 ; D107.B6 249.19,60.15 ; D107.B6 250,60.96 ; D431.A6 44.26,383.54 ; D431.A6 42.64,383.54 ; D431.A6 43.45,382.73 ; D431.A6 43.45,384.35 ; 46.68,350.98 UHC230.G3 ; UHC230.G3 46.68,352.6 ; UHC230.G3 45.87,351.79 ; UHC230.G3 47.49,351.79 ; D104.B16 201.74,40.64 ; D104.B16 200.12,40.64 ; D104.B16 200.93,39.83 ; D104.B16 200.93,41.45 ; 124.73,375.11 D227.A3 ; D227.A3 125.54,375.92 ; D227.A3 123.92,375.92 ; D227.A3 124.73,376.73 ; D123.B16 127.27,61.77 ; D123.B16 128.08,60.96 ; D123.B16 127.27,60.15 ; D123.B16 126.46,60.96 ; D115.A7 188.23,376.73 ; D115.A7 189.04,375.92 ; D115.A7 187.42,375.92 ; D115.A7 188.23,375.11 ; 45.18,410.21 DPS8.C05 ; DPS8.C05 45.99,409.4 ; DPS8.C05 45.99,411.02 ; DPS8.C05 46.8,410.21 ; 30.75,72.85 D118.A7 ; D118.A7 31.56,73.66 ; D118.A7 30.75,74.47 ; D118.A7 29.94,73.66 ; 272.05,98.25 D105.B15 ; D105.B15 271.24,99.06 ; D105.B15 272.05,99.87 ; D105.B15 272.86,99.06 ; 241.57,395.43 D112.A15 ; D112.A15 242.38,396.24 ; D112.A15 240.76,396.24 ; D112.A15 241.57,397.05 ; 15.73,349.23 UHC230.G4_10 ; UHC230.G4_10 14.92,350.04 ; UHC230.G4_10 15.73,350.85 ; UHC230.G4_10 16.54,350.04 ; 42.64,76.2 D118.A12 ; D118.A12 44.26,76.2 ; D118.A12 43.45,77.01 ; D118.A12 43.45,75.39 ; D124.A12 117.11,36.37 ; D124.A12 116.3,35.56 ; D124.A12 117.92,35.56 ; D124.A12 117.11,34.75 ; D432.B1 56.15,402.13 ; D432.B1 56.96,401.32 ; D432.B1 56.15,400.51 ; D432.B1 55.34,401.32 ; 114.57,370.03 D227.B7 ; D227.B7 114.57,371.65 ; D227.B7 115.38,370.84 ; D227.B7 113.76,370.84 ; 45.87,361.95 UHC430.G2 ; UHC430.G2 46.68,361.14 ; UHC430.G2 46.68,362.76 ; UHC430.G2 47.49,361.95 ; D123.A1 89.17,54.15 ; D123.A1 89.98,53.34 ; D123.A1 88.36,53.34 ; D123.A1 89.17,52.53 ; D228.B14 97.6,388.62 ; D228.B14 96.79,389.43 ; D228.B14 96.79,387.81 ; D228.B14 95.98,388.62 ; D121.B13 120.46,99.06 ; D121.B13 119.65,99.87 ; D121.B13 118.84,99.06 ; D121.B13 119.65,98.25 ; 48.98,354.48 UHC230.G3_1 ; UHC230.G3_1 49.79,355.29 ; UHC230.G3_1 48.98,356.1 ; UHC230.G3_1 48.17,355.29 ; 256,33.02 D108.A9 ; D108.A9 256.81,33.83 ; D108.A9 256.81,32.21 ; D108.A9 257.62,33.02 ; D118.B3 21.4,78.74 ; D118.B3 20.59,77.93 ; D118.B3 20.59,79.55 ; D118.B3 19.78,78.74 ; 266.97,57.61 D107.B13 ; D107.B13 267.78,58.42 ; D107.B13 266.97,59.23 ; D107.B13 266.16,58.42 ; UHC430.G1_1 19.99,365.45 ; UHC430.G1_1 19.18,366.26 ; UHC430.G1_1 18.37,365.45 ; UHC430.G1_1 19.18,364.64 ; D102.B12 191.58,81.28 ; D102.B12 189.96,81.28 ; D102.B12 190.77,80.47 ; D102.B12 190.77,82.09 ; 193.31,72.85 D102.A13 ; D102.A13 194.12,73.66 ; D102.A13 192.5,73.66 ; D102.A13 193.31,74.47 ; D107.B7 252.54,58.42 ; D107.B7 251.73,57.61 ; D107.B7 251.73,59.23 ; D107.B7 250.92,58.42 ; 169.64,35.56 D104.A4 ; D104.A4 170.45,36.37 ; D104.A4 170.45,34.75 ; D104.A4 171.26,35.56 ; D121.A9 109.49,94.79 ; D121.A9 108.68,93.98 ; D121.A9 109.49,93.17 ; D121.A9 110.3,93.98 ; 256,38.1 D108.B9 ; D108.B9 257.62,38.1 ; D108.B9 256.81,37.29 ; D108.B9 256.81,38.91 ; D112.A14 244.11,394.51 ; D112.A14 243.3,393.7 ; D112.A14 244.92,393.7 ; D112.A14 244.11,392.89 ; 19.78,370.84 D231.B15 ; D231.B15 21.4,370.84 ; D231.B15 20.59,370.03 ; D231.B15 20.59,371.65 ; 18.05,34.75 D120.A2 ; D120.A2 18.86,35.56 ; D120.A2 17.24,35.56 ; D120.A2 18.05,36.37 ; D108.B15 272.86,38.1 ; D108.B15 272.05,38.91 ; D108.B15 272.05,37.29 ; D108.B15 271.24,38.1 ; 114.57,98.25 D121.B11 ; D121.B11 114.57,99.87 ; D121.B11 113.76,99.06 ; D121.B11 115.38,99.06 ; D104.B6 175.53,41.45 ; D104.B6 176.34,40.64 ; D104.B6 175.53,39.83 ; D104.B6 174.72,40.64 ; D117.A16 53.61,97.33 ; D117.A16 53.61,95.71 ; D117.A16 52.8,96.52 ; D117.A16 54.42,96.52 ; 238.22,55.88 D107.A2 ; D107.A2 239.03,56.69 ; D107.A2 239.03,55.07 ; D107.A2 239.84,55.88 ; 99.33,37.29 D124.B5 ; D124.B5 99.33,38.91 ; D124.B5 100.14,38.1 ; D124.B5 98.52,38.1 ; UHC230.G3_6 49.79,351.79 ; UHC230.G3_6 48.98,352.6 ; UHC230.G3_6 48.98,350.98 ; UHC230.G3_6 48.17,351.79 ; CSDPS226.C13 100.14,350.52 ; CSDPS226.C13 99.33,351.33 ; CSDPS226.C13 99.33,349.71 ; CSDPS226.C13 98.52,350.52 ; D122.B4 97.6,81.28 ; D122.B4 95.98,81.28 ; D122.B4 96.79,82.09 ; D122.B4 96.79,80.47 ; 48.53,397.97 D432.B4 ; D432.B4 48.53,399.59 ; D432.B4 49.34,398.78 ; D432.B4 47.72,398.78 ; D104.B5 172.99,38.91 ; D104.B5 173.8,38.1 ; D104.B5 172.99,37.29 ; D104.B5 172.18,38.1 ; D113.A16 165.37,333.55 ; D113.A16 166.18,332.74 ; D113.A16 165.37,331.93 ; D113.A16 164.56,332.74 ; D121.B2 91.71,102.41 ; D121.B2 90.9,101.6 ; D121.B2 92.52,101.6 ; D121.B2 91.71,100.79 ; 195.85,55.07 D103.A14 ; D103.A14 195.04,55.88 ; D103.A14 196.66,55.88 ; D103.A14 195.85,56.69 ; 243.3,327.66 D109.B14 ; D109.B14 244.92,327.66 ; D109.B14 244.11,326.85 ; D109.B14 244.11,328.47 ; 276.32,370.84 D111.B1 ; D111.B1 277.13,370.03 ; D111.B1 277.94,370.84 ; D111.B1 277.13,371.65 ; D105.B1 237.3,99.06 ; D105.B1 236.49,98.25 ; D105.B1 236.49,99.87 ; D113.B14 171.26,327.66 ; D113.B14 170.45,326.85 ; D113.B14 169.64,327.66 ; D113.B14 170.45,328.47 ; 259.35,352.25 D110.A8 ; D110.A8 260.16,353.06 ; D110.A8 259.35,353.87 ; D110.A8 258.54,353.06 ; D227.A11 105.22,375.92 ; D227.A11 104.41,375.11 ; D227.A11 104.41,376.73 ; D227.A11 103.6,375.92 ; 111.22,60.96 D123.B10 ; D123.B10 112.03,61.77 ; D123.B10 112.84,60.96 ; D123.B10 112.03,60.15 ; D228.A11 105.22,396.24 ; D228.A11 104.41,395.43 ; D228.A11 103.6,396.24 ; D228.A11 104.41,397.05 ; 126.46,403.86 D428.A2 ; D428.A2 128.08,403.86 ; D428.A2 127.27,404.67 ; D428.A2 127.27,403.05 ; D116.B11 178.07,391.97 ; D116.B11 178.07,390.35 ; D116.B11 177.26,391.16 ; D116.B11 178.88,391.16 ; D231.A7 41.72,375.92 ; D231.A7 40.91,375.11 ; D231.A7 40.1,375.92 ; D231.A7 40.91,376.73 ; D123.B9 109.49,59.23 ; D123.B9 110.3,58.42 ; D123.B9 108.68,58.42 ; D123.B9 109.49,57.61 ; D232.A1 56.96,396.24 ; D232.A1 56.15,395.43 ; D232.A1 56.15,397.05 ; D232.A1 55.34,396.24 ; 28.21,80.47 D118.B6 ; D118.B6 27.4,81.28 ; D118.B6 29.02,81.28 ; D118.B6 28.21,82.09 ; D431.B11 31.56,381 ; D431.B11 30.75,381.81 ; D431.B11 30.75,380.19 ; D431.B11 29.94,381 ; D432.B3 51.07,402.13 ; D432.B3 51.88,401.32 ; D432.B3 50.26,401.32 ; D432.B3 51.07,400.51 ; 117.11,60.15 D123.B12 ; D123.B12 116.3,60.96 ; D123.B12 117.11,61.77 ; D123.B12 117.92,60.96 ; 33.29,331.93 CSDPS229.B10 ; CSDPS229.B10 33.29,333.55 ; CSDPS229.B10 32.48,332.74 ; CSDPS229.B10 34.1,332.74 ; D427.B5 119.65,381.81 ; D427.B5 120.46,381 ; D427.B5 119.65,380.19 ; D427.B5 118.84,381 ; 266.97,72.85 D106.A13 ; D106.A13 266.16,73.66 ; D106.A13 266.97,74.47 ; D106.A13 267.78,73.66 ; D427.A16 92.52,383.54 ; D427.A16 90.9,383.54 ; D427.A16 91.71,382.73 ; D427.A16 91.71,384.35 ; 114.57,13.16 DPS3.A11 ; DPS3.A11 113.76,13.97 ; DPS3.A11 115.38,13.97 ; DPS3.A11 114.57,14.78 ; 96.79,367.49 D227.B14 ; D227.B14 95.98,368.3 ; D227.B14 96.79,369.11 ; D227.B14 97.6,368.3 ; D109.A4 270.32,332.74 ; D109.A4 268.7,332.74 ; D109.A4 269.51,333.55 ; D109.A4 269.51,331.93 ; D110.B9 257.62,350.52 ; D110.B9 256,350.52 ; D110.B9 256.81,351.33 ; D110.B9 256.81,349.71 ; D107.A1 236.49,54.15 ; D107.A1 236.49,52.53 ; D107.A1 237.3,53.34 ; D107.A1 235.68,53.34 ; 118.84,375.92 D227.A5 ; D227.A5 120.46,375.92 ; D227.A5 119.65,376.73 ; D227.A5 119.65,375.11 ; 266.16,391.16 D112.B5 ; D112.B5 267.78,391.16 ; D112.B5 266.97,390.35 ; D112.B5 266.97,391.97 ; 43.57,348.29 UHC230.G3_13 ; UHC230.G3_13 44.38,349.1 ; UHC230.G3_13 44.38,347.48 ; UHC230.G3_13 45.19,348.29 ; D101.B16 201.74,101.6 ; D101.B16 200.12,101.6 ; D101.B16 200.93,100.79 ; D101.B16 200.93,102.41 ; 250.92,73.66 D106.A7 ; D106.A7 251.73,74.47 ; D106.A7 252.54,73.66 ; D106.A7 251.73,72.85 ; 104.41,98.25 D121.B7 ; D121.B7 104.41,99.87 ; D121.B7 105.22,99.06 ; D121.B7 103.6,99.06 ; D227.A14 97.6,373.38 ; D227.A14 96.79,374.19 ; D227.A14 96.79,372.57 ; D227.A14 95.98,373.38 ; 29.94,386.08 D431.A11 ; D431.A11 30.75,386.89 ; D431.A11 31.56,386.08 ; D431.A11 30.75,385.27 ; 50.26,33.02 D120.A15 ; D120.A15 51.07,32.21 ; D120.A15 51.07,33.83 ; D120.A15 51.88,33.02 ; D111.B2 274.59,369.11 ; D111.B2 275.4,368.3 ; D111.B2 273.78,368.3 ; D111.B2 274.59,367.49 ; 197.58,38.1 D104.B15 ; D104.B15 199.2,38.1 ; D104.B15 198.39,38.91 ; D104.B15 198.39,37.29 ; 55.34,412.75 DPS8.B01 ; DPS8.B01 56.15,411.94 ; DPS8.B01 56.15,413.56 ; DPS8.B01 56.96,412.75 ; D227.B12 101.87,369.11 ; D227.B12 102.68,368.3 ; D227.B12 101.06,368.3 ; D227.B12 101.87,367.49 ; 17.24,96.52 D117.A2 ; D117.A2 18.86,96.52 ; D117.A2 18.05,95.71 ; D117.A2 18.05,97.33 ; UHC430.G2_8 45.19,361.95 ; UHC430.G2_8 43.57,361.95 ; UHC430.G2_8 44.38,361.14 ; UHC430.G2_8 44.38,362.76 ; D232.B4 48.53,389.43 ; D232.B4 47.72,388.62 ; D232.B4 49.34,388.62 ; D232.B4 48.53,387.81 ; D120.A10 39.18,35.56 ; D120.A10 38.37,36.37 ; D120.A10 37.56,35.56 ; D120.A10 38.37,34.75 ; D104.A8 180.61,36.37 ; D104.A8 181.42,35.56 ; D104.A8 180.61,34.75 ; D104.A8 179.8,35.56 ; 17.24,398.78 D432.B16 ; D432.B16 18.05,397.97 ; D432.B16 18.86,398.78 ; D432.B16 18.05,399.59 ; 99.33,52.53 D123.A5 ; D123.A5 98.52,53.34 ; D123.A5 99.33,54.15 ; D123.A5 100.14,53.34 ; D115.B16 166.18,368.3 ; D115.B16 165.37,367.49 ; D115.B16 165.37,369.11 ; D115.B16 164.56,368.3 ; CSDPS229.B6 44.26,332.74 ; CSDPS229.B6 43.45,331.93 ; CSDPS229.B6 42.64,332.74 ; CSDPS229.B6 43.45,333.55 ; D109.A15 241.57,336.09 ; D109.A15 240.76,335.28 ; D109.A15 241.57,334.47 ; D109.A15 242.38,335.28 ; CSDPS426.C3 124.73,361.49 ; CSDPS426.C3 125.54,360.68 ; CSDPS426.C3 123.92,360.68 ; CSDPS426.C3 124.73,359.87 ; 40.91,32.21 D120.A11 ; D120.A11 41.72,33.02 ; D120.A11 40.91,33.83 ; D120.A11 40.1,33.02 ; 116.3,373.38 D227.A6 ; D227.A6 117.11,374.19 ; D227.A6 117.11,372.57 ; D227.A6 117.92,373.38 ; D432.A2 53.61,404.67 ; D432.A2 53.61,403.05 ; D432.A2 54.42,403.86 ; D432.A2 52.8,403.86 ; 202.66,335.28 D113.A1 ; D113.A1 204.28,335.28 ; D113.A1 203.47,334.47 ; D113.A1 203.47,336.09 ; 123.92,58.42 D123.B15 ; D123.B15 124.73,59.23 ; D123.B15 125.54,58.42 ; D123.B15 124.73,57.61 ; D427.A6 117.92,383.54 ; D427.A6 117.11,382.73 ; D427.A6 116.3,383.54 ; D427.A6 117.11,384.35 ; DPS2.B05 193.31,413.56 ; DPS2.B05 194.12,412.75 ; DPS2.B05 193.31,411.94 ; DPS2.B05 192.5,412.75 ; KS3.7 40.66,150.22 ; KS3.7 40.66,147.98 ; KS3.7 41.77,149.1 ; KS3.7 39.54,149.1 ; D104.A16 201.74,35.56 ; D104.A16 200.12,35.56 ; D104.A16 200.93,34.75 ; D104.A16 200.93,36.37 ; 40.91,57.61 D119.B11 ; D119.B11 41.72,58.42 ; D119.B11 40.91,59.23 ; D119.B11 40.1,58.42 ; DPS1.A11 262.7,13.97 ; DPS1.A11 261.89,13.16 ; DPS1.A11 261.89,14.78 ; DPS1.A11 261.08,13.97 ; 178.07,77.93 D102.B7 ; D102.B7 178.07,79.55 ; D102.B7 178.88,78.74 ; D102.B7 177.26,78.74 ; D110.A15 242.38,355.6 ; D110.A15 241.57,354.79 ; D110.A15 241.57,356.41 ; D110.A15 240.76,355.6 ; 118.84,360.68 CSDPS426.C5 ; CSDPS426.C5 119.65,361.49 ; CSDPS426.C5 119.65,359.87 ; CSDPS426.C5 120.46,360.68 ; D115.A16 165.37,374.19 ; D115.A16 